# KiCad board IMXDesign.kicad_pcb (continued)
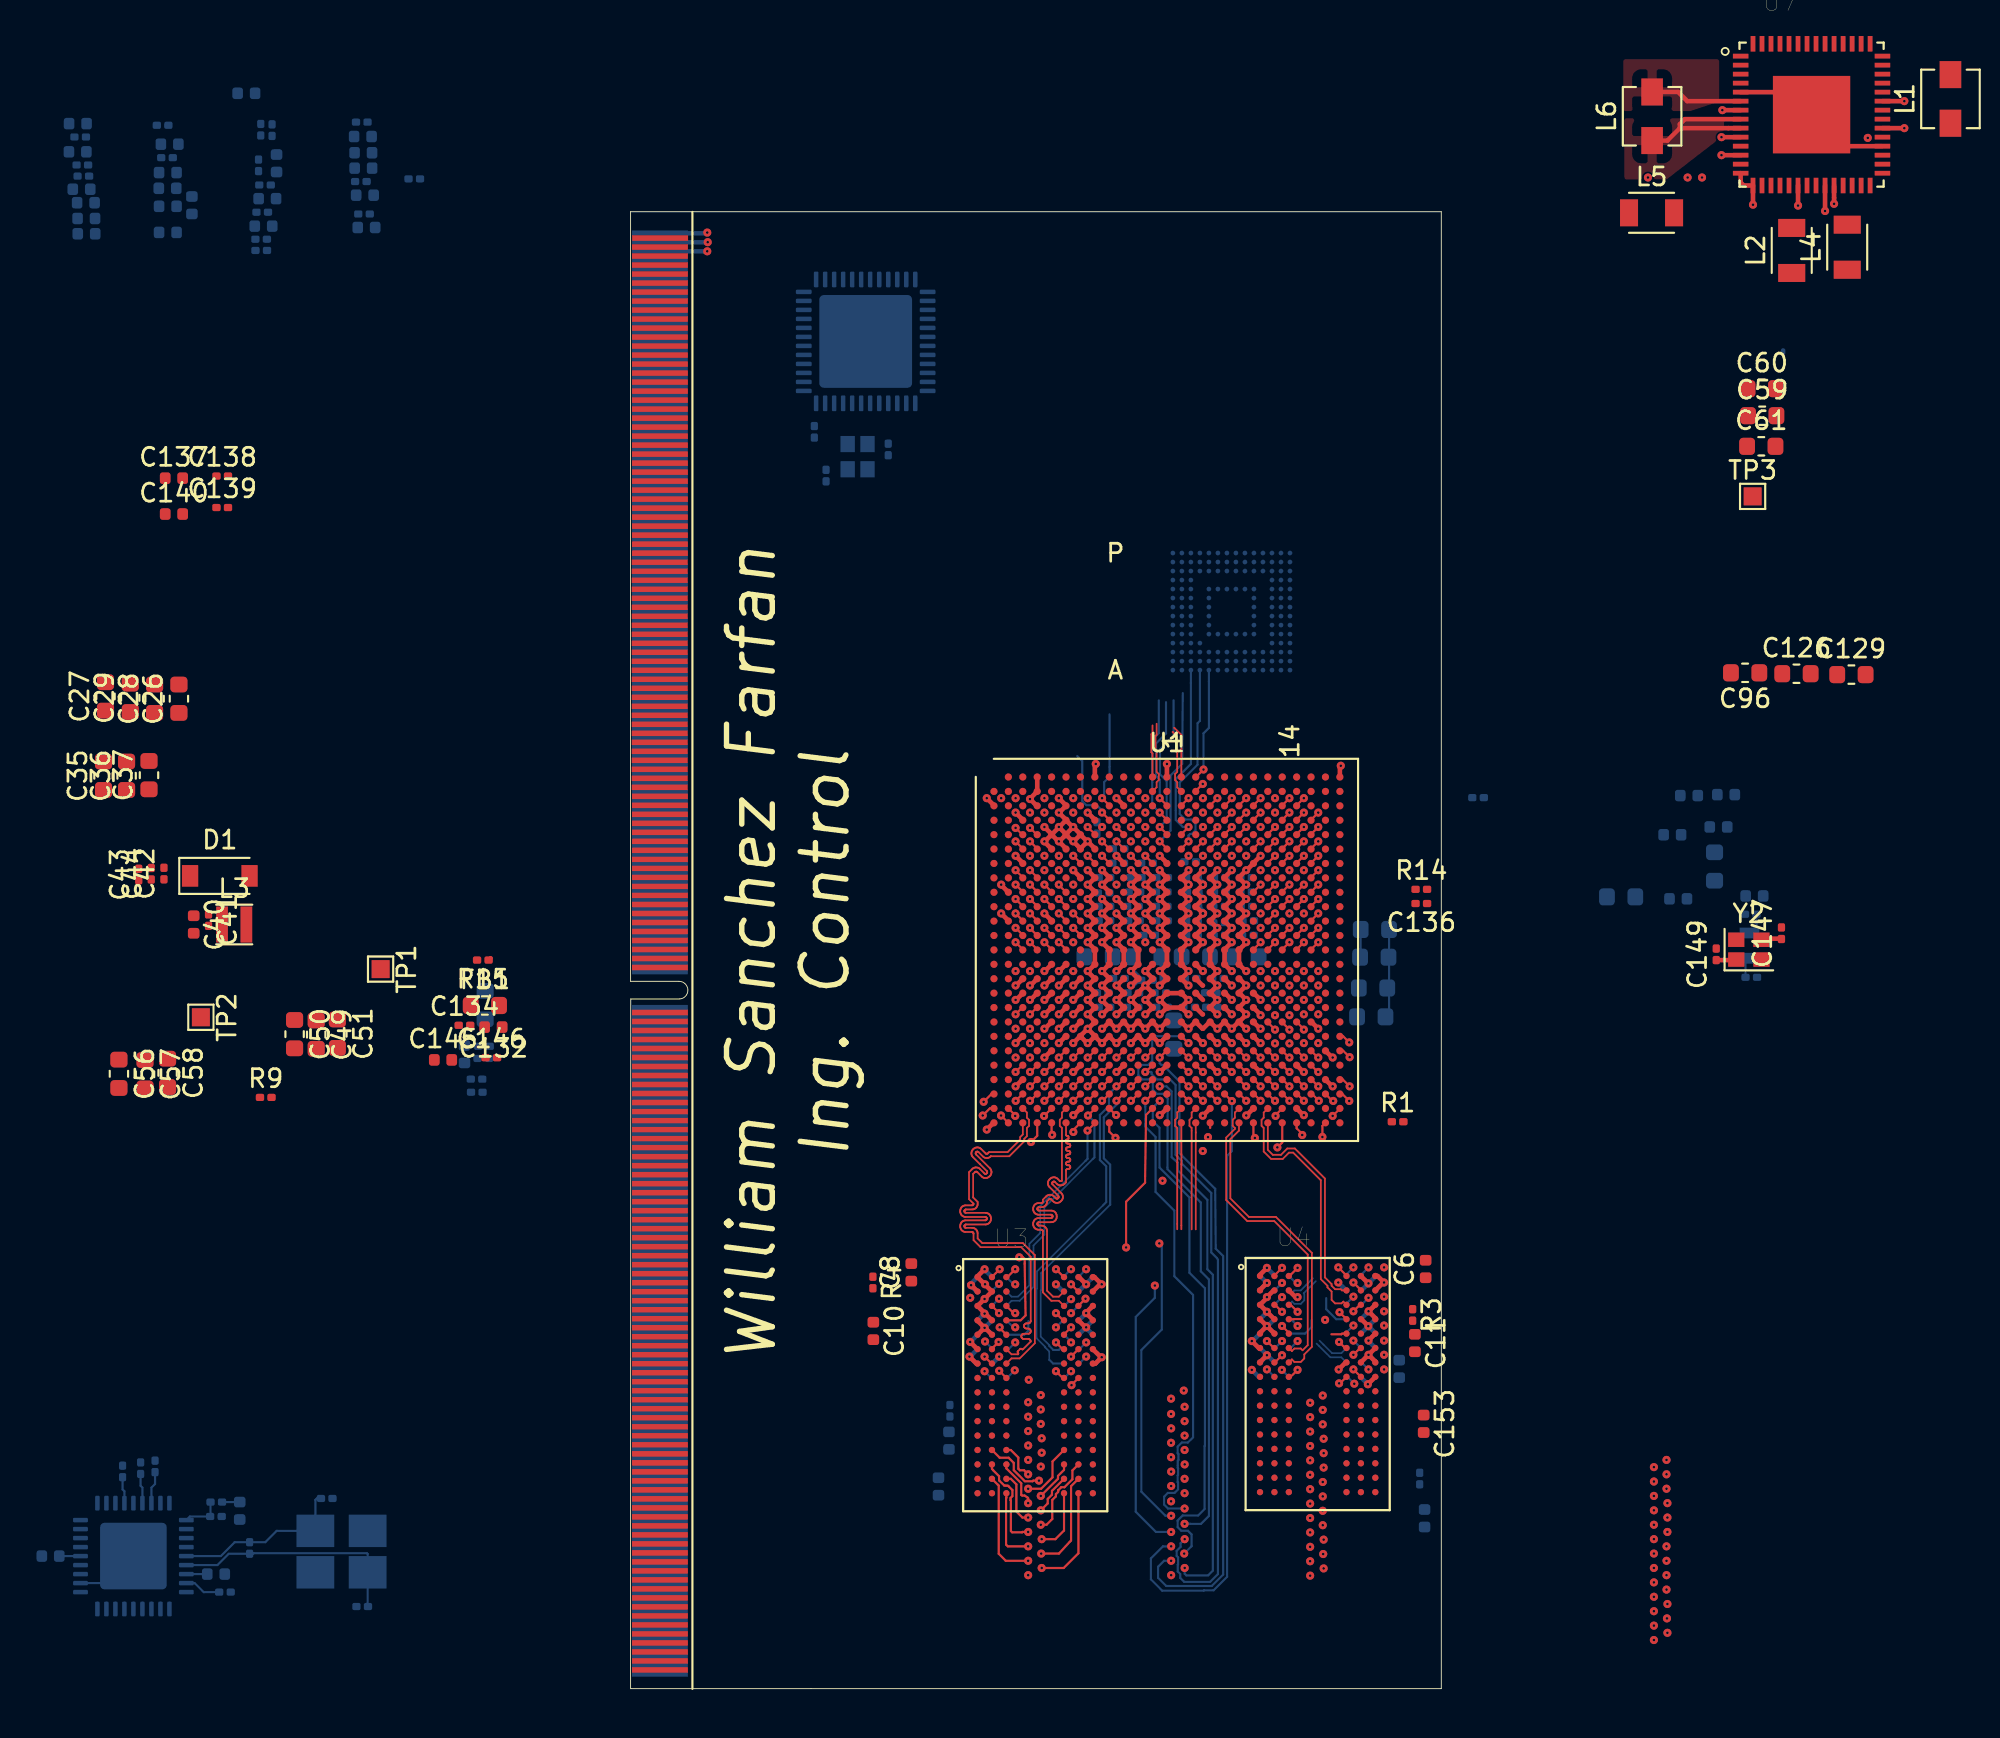
[diagram p0: board, top side]
## Nets (continued)
/Display/DISPO_DAT18: U1.V25
/Display/DISPO_DAT19: U1.U23
/Display/DISPO_DAT20: U1.U22
/Display/DISPO_DAT21: U1.T20
/Display/DISPO_DAT22: U1.V24
/Display/DISPO_DAT23: U1.W24
/ETHERNET_USB/ENET_REF_CLK: U1.V22 U9.41
/ETHERNET_USB/RGMII_INT: U1.V21 U9.38
/ETHERNET_USB/RGMII_MDC: U1.V20 U9.36
/ETHERNET_USB/RGMII_MDIO: U1.V23 U9.37
/ETHERNET_USB/RGMII_RD0: U1.C24 U9.32
/ETHERNET_USB/RGMII_RD1: U1.B23 U9.31
/ETHERNET_USB/RGMII_RD2: U1.B24 U9.28
/ETHERNET_USB/RGMII_RD3: U1.D23 U9.27
/ETHERNET_USB/RGMII_RSTn_R: U1.U21 U9.42
/ETHERNET_USB/USB1_HUB_N: U1.F10 U10.30
/ETHERNET_USB/USB1_HUB_P: U1.E10 U10.31
/ETHERNET_USB/USB_OTG_CHD_B: U1.B8
/ETHERNET_USB/USB_OTG_DN: U1.B6
/ETHERNET_USB/USB_OTG_DP: U1.A6
/SDx_INTERFACE/eMMC/SD_CLK: U6.M6
/SDx_INTERFACE/SD#/SD_D0: U1.E14 U6.A3
/SDx_INTERFACE/SD#/SD_D1: U1.F14 U6.A4
/SDx_INTERFACE/SD#/SD_D2: U1.A15 U6.A5
/SDx_INTERFACE/SD#/SD_D3: U1.B15 U6.B2
/SDx_INTERFACE/SD#/SD_D4: U1.D13 U6.B3
/SDx_INTERFACE/SD#/SD_D5: U1.C13 U6.B4
/SDx_INTERFACE/SD#/SD_D6: U1.E13 U6.B5
/SDx_INTERFACE/SD#/SD_D7: U1.F13 U6.B6
/SourcePower/SWBSTLX: D1.2 L3.2 U7.46
DDR_VREF: C4.1 C5.1 C6.1 C7.1 C8.1 C9.1 C10.1 C11.1 C153.1 U1.AC2 U2.H1 U2.M8 U3.H1 U3.M8 U4.H1 U4.M8 U5.H1 U5.M8 U7.31
PMIC_INT_B: R6.2 U7.1
PMIC_VHALF: C12.2 C13.1 U7.29
POR_B: R8.2 U7.3
PWRON: U7.56
STAMFBY: U7.4
SYS_4V2: C25.1 C30.1 C31.1 C32.1 C33.1 C34.1 C38.1 C39.1 C45.1 C46.1 C47.1 C48.1 C52.1 C53.1 C54.1 C55.1 U7.7 U7.10 U7.12 U7.20 U7.23 U7.24 U7.34 U7.37 U7.45 U8.1 U8.3 U8.5
VGEN1_1v35: C14.1 U7.16
VGEN2_1v35: C15.1 U7.18
VGEN3_1v35: C16.1 U7.26
VGEN4_1v35: C17.1 U7.28
VGEN5_1v35: C18.1 U7.39
VGEN6_1v35: C19.1 U7.41
VGEN_+3V0: C95.1 C96.1 C97.1 U1.G11 U1.H9 U1.J9
Net-(C3-Pad1): C3.1 U7.17
Net-(C22-Pad1): C22.1 U7.50
Net-(C23-Pad1): C23.1 U7.49
Net-(C24-Pad1): C24.1 U7.52
Net-(C40-Pad1): C40.1 C41.1 L3.1
Net-(C63-Pad1): C63.1 U7.51
Net-(C64-Pad1): C64.1 C65.1 C66.1 U6.E6 U6.F5 U6.J10 U6.K9
Net-(C67-Pad1): C67.1 C68.1 C69.1 C70.1 U6.C6 U6.M4 U6.N4 U6.P3 U6.P5
Net-(C71-Pad1): C71.1 U6.C2
Net-(C124-Pad1): C124.1 U1.G9
Net-(C130-Pad1): C130.1 R10.2 U1.G7
Net-(C133-Pad1): C133.1 R11.2 U1.H7
Net-(C134-Pad1): C134.1 FB1.1 U1.G8
Net-(C136-Pad1): C136.1 R14.2 U1.G12
Net-(C141-Pad1): C141.1 U10.34
Net-(C142-Pad1): C142.1 U10.14
Net-(C143-Pad1): C143.1 R23.1 U10.33 Y1.3
Net-(C144-Pad1): C144.1 R23.2 U10.32 Y1.1
Net-(C147-Pad1): C147.1 U1.B7 Y2.3
Net-(C148-Pad1): C148.1 U1.C9 Y3.2
Net-(C149-Pad1): C149.1 U1.A7 Y2.1
Net-(C150-Pad1): C150.1 U1.D9 Y3.1
Net-(C151-Pad1): C151.1 U9.45 Y4.3
Net-(C152-Pad1): C152.1 U9.46 Y4.1
Net-(D2-Pad2): D2.2 R17.1
Net-(L1-Pad1): L1.1 U7.35 U7.36
Net-(L2-Pad1): L2.1 U7.21
Net-(L4-Pad1): L4.1 U7.22
Net-(L5-Pad1): L5.1 U7.11
Net-(L6-Pad1): L6.1 U7.8 U7.9
Net-(R1-Pad1): R1.1 U1.AE17
Net-(R2-Pad1): R2.1 U3.L8
Net-(R3-Pad1): R3.1 U2.L8
Net-(R4-Pad1): R4.1 U4.L8
Net-(R5-Pad1): R5.1 U5.L8
Net-(R7-Pad2): R7.2 U7.2
Net-(R9-Pad1): R9.1 U1.A2
Net-(R12-Pad1): R12.1 U1.C14
Net-(R15-Pad1): R15.1 U1.J1
Net-(R16-Pad1): R16.1 U9.48
Net-(R17-Pad2): R17.2 R18.1 U10.28
Net-(R19-Pad1): R19.1 U10.22
Net-(R20-Pad1): R20.1 U10.35
Net-(R21-Pad1): R21.1 U10.24
Net-(R22-Pad1): R22.1 U10.25
Net-(U1-PadA5): U1.A5
Net-(U1-PadA9): U1.A9
Net-(U1-PadA10): U1.A10
Net-(U1-PadA11): U1.A11
Net-(U1-PadA16): U1.A16
Net-(U1-PadA21): U1.A21
Net-(U1-PadA24): U1.A24 U9.22
Net-(U1-PadAA11): U1.AA11
Net-(U1-PadAB17): U1.AB17
Net-(U1-PadAD17): U1.AD17
Net-(U1-PadB5): U1.B5
Net-(U1-PadB9): U1.B9
Net-(U1-PadB10): U1.B10
Net-(U1-PadB11): U1.B11
Net-(U1-PadB13): U1.B13
Net-(U1-PadB16): U1.B16
Net-(U1-PadB21): U1.B21
Net-(U1-PadB25): U1.B25 U9.33
Net-(U1-PadC2): U1.C2
Net-(U1-PadC3): U1.C3
Net-(U1-PadC5): U1.C5
Net-(U1-PadC7): U1.C7
Net-(U1-PadC8): U1.C8
Net-(U1-PadC11): U1.C11
Net-(U1-PadC12): U1.C12
Net-(U1-PadC15): U1.C15
Net-(U1-PadC20): U1.C20
Net-(U1-PadC22): U1.C22 U9.19
Net-(U1-PadC23): U1.C23 U9.24
Net-(U1-PadD4): U1.D4
Net-(U1-PadD5): U1.D5
Net-(U1-PadD7): U1.D7
Net-(U1-PadD10): U1.D10
Net-(U1-PadD11): U1.D11
Net-(U1-PadD12): U1.D12
Net-(U1-PadD14): U1.D14
Net-(U1-PadD15): U1.D15
Net-(U1-PadD20): U1.D20
Net-(U1-PadD21): U1.D21 U9.25
Net-(U1-PadD22): U1.D22 U9.35
Net-(U1-PadE9): U1.E9
Net-(U1-PadE11): U1.E11
Net-(U1-PadE12): U1.E12
Net-(U1-PadE15): U1.E15
Net-(U1-PadE19): U1.E19
Net-(U1-PadE21): U1.E21 U9.21
Net-(U1-PadF11): U1.F11
Net-(U1-PadF12): U1.F12
Net-(U1-PadF18): U1.F18
Net-(U1-PadF20): U1.F20 U9.20
Net-(U1-PadG4): U1.G4
Net-(U1-PadG5): U1.G5
Net-(U1-PadG6): U1.G6
Net-(U1-PadG14): U1.G14
Net-(U1-PadG15): U1.G15
Net-(U1-PadG16): U1.G16
Net-(U1-PadG17): U1.G17
Net-(U1-PadG18): U1.G18
Net-(U1-PadH5): U1.H5
Net-(U1-PadH6): U1.H6
Net-(U1-PadJ7): U1.J7
Net-(U1-PadK1): U1.K1
Net-(U1-PadK2): U1.K2
Net-(U1-PadK7): U1.K7
Net-(U1-PadK19): U1.K19
Net-(U1-PadL19): U1.L19
Net-(U1-PadM19): U1.M19
Net-(U1-PadN2): U1.N2
Net-(U1-PadN7): U1.N7
Net-(U1-PadP1): U1.P1
Net-(U1-PadP3): U1.P3
Net-(U1-PadP4): U1.P4
Net-(U1-PadP7): U1.P7
Net-(U1-PadP19): U1.P19
Net-(U1-PadR19): U1.R19
Net-(U1-PadU20): U1.U20
Net-(U1-PadV3): U1.V3
Net-(U1-PadV4): U1.V4
Net-(U1-PadW20): U1.W20
Net-(U1-PadW21): U1.W21
Net-(U1-PadW22): U1.W22
Net-(U1-PadW23): U1.W23
Net-(U1-PadY3): U1.Y3
Net-(U1-PadY4): U1.Y4
Net-(U2-PadT2): U2.T2
Net-(U3-PadT2): U3.T2
Net-(U4-PadT2): U4.T2
Net-(U5-PadT2): U5.T2
Net-(U6-PadA1): U6.A1
Net-(U6-PadA2): U6.A2
Net-(U6-PadA7): U6.A7
Net-(U6-PadA8): U6.A8
Net-(U6-PadA9): U6.A9
Net-(U6-PadA10): U6.A10
Net-(U6-PadA11): U6.A11
Net-(U6-PadA12): U6.A12
Net-(U6-PadA13): U6.A13
Net-(U6-PadA14): U6.A14
Net-(U6-PadB1): U6.B1
Net-(U6-PadB7): U6.B7
Net-(U6-PadB8): U6.B8
Net-(U6-PadB9): U6.B9
Net-(U6-PadB10): U6.B10
Net-(U6-PadB11): U6.B11
Net-(U6-PadB12): U6.B12
Net-(U6-PadB13): U6.B13
Net-(U6-PadB14): U6.B14
Net-(U6-PadC1): U6.C1
Net-(U6-PadC3): U6.C3
Net-(U6-PadC5): U6.C5
Net-(U6-PadC7): U6.C7
Net-(U6-PadC8): U6.C8
Net-(U6-PadC9): U6.C9
Net-(U6-PadC10): U6.C10
Net-(U6-PadC11): U6.C11
Net-(U6-PadC12): U6.C12
Net-(U6-PadC13): U6.C13
Net-(U6-PadC14): U6.C14
Net-(U6-PadD1): U6.D1
Net-(U6-PadD2): U6.D2
Net-(U6-PadD3): U6.D3
Net-(U6-PadD4): U6.D4
Net-(U6-PadD12): U6.D12
Net-(U6-PadD13): U6.D13
Net-(U6-PadD14): U6.D14
Net-(U6-PadE1): U6.E1
Net-(U6-PadE2): U6.E2
Net-(U6-PadE3): U6.E3
Net-(U6-PadE5): U6.E5
Net-(U6-PadE8): U6.E8
Net-(U6-PadE9): U6.E9
Net-(U6-PadE10): U6.E10
Net-(U6-PadE12): U6.E12
Net-(U6-PadE13): U6.E13
Net-(U6-PadE14): U6.E14
Net-(U6-PadF1): U6.F1
Net-(U6-PadF2): U6.F2
Net-(U6-PadF3): U6.F3
Net-(U6-PadF10): U6.F10
Net-(U6-PadF12): U6.F12
Net-(U6-PadF13): U6.F13
Net-(U6-PadF14): U6.F14
Net-(U6-PadG1): U6.G1
Net-(U6-PadG2): U6.G2
Net-(U6-PadG3): U6.G3
Net-(U6-PadG10): U6.G10
Net-(U6-PadG12): U6.G12
Net-(U6-PadG13): U6.G13
Net-(U6-PadG14): U6.G14
Net-(U6-PadH1): U6.H1
Net-(U6-PadH2): U6.H2
Net-(U6-PadH3): U6.H3
Net-(U6-PadH5): U6.H5
Net-(U6-PadH12): U6.H12
Net-(U6-PadH13): U6.H13
Net-(U6-PadH14): U6.H14
Net-(U6-PadJ1): U6.J1
Net-(U6-PadJ2): U6.J2
Net-(U6-PadJ3): U6.J3
Net-(U6-PadJ12): U6.J12
Net-(U6-PadJ13): U6.J13
Net-(U6-PadJ14): U6.J14
Net-(U6-PadK1): U6.K1
Net-(U6-PadK2): U6.K2
Net-(U6-PadK3): U6.K3
Net-(U6-PadK5): U6.K5
Net-(U6-PadK6): U6.K6
Net-(U6-PadK7): U6.K7
Net-(U6-PadK10): U6.K10
Net-(U6-PadK12): U6.K12
Net-(U6-PadK13): U6.K13
Net-(U6-PadK14): U6.K14
Net-(U6-PadL1): U6.L1
Net-(U6-PadL2): U6.L2
Net-(U6-PadL3): U6.L3
Net-(U6-PadL12): U6.L12
Net-(U6-PadL13): U6.L13
Net-(U6-PadL14): U6.L14
Net-(U6-PadM1): U6.M1
Net-(U6-PadM2): U6.M2
Net-(U6-PadM3): U6.M3
Net-(U6-PadM5): U6.M5
Net-(U6-PadM7): U6.M7
Net-(U6-PadM8): U6.M8
Net-(U6-PadM9): U6.M9
Net-(U6-PadM10): U6.M10
Net-(U6-PadM11): U6.M11
Net-(U6-PadM12): U6.M12
Net-(U6-PadM13): U6.M13
Net-(U6-PadM14): U6.M14
Net-(U6-PadN1): U6.N1
Net-(U6-PadN3): U6.N3
Net-(U6-PadN6): U6.N6
Net-(U6-PadN7): U6.N7
Net-(U6-PadN8): U6.N8
Net-(U6-PadN9): U6.N9
Net-(U6-PadN10): U6.N10
Net-(U6-PadN11): U6.N11
Net-(U6-PadN12): U6.N12
Net-(U6-PadN13): U6.N13
Net-(U6-PadN14): U6.N14
Net-(U6-PadP1): U6.P1
Net-(U6-PadP2): U6.P2
Net-(U6-PadP7): U6.P7
Net-(U6-PadP8): U6.P8
Net-(U6-PadP9): U6.P9
Net-(U6-PadP10): U6.P10
Net-(U6-PadP11): U6.P11
Net-(U6-PadP12): U6.P12
Net-(U6-PadP13): U6.P13
Net-(U6-PadP14): U6.P14
Net-(U7-Pad33): U7.33
Net-(U7-Pad47): U7.47
Net-(U7-Pad53): U7.53
Net-(U7-Pad54): U7.54
Net-(U8-Pad2): U8.2
Net-(U8-Pad4): U8.4
Net-(U8-Pad6): U8.6
Net-(U8-Pad8): U8.8
Net-(U8-Pad10): U8.10
Net-(U8-Pad22): U8.22
Net-(U8-Pad27): U8.27
Net-(U8-Pad33): U8.33
Net-(U8-Pad39): U8.39
Net-(U8-Pad41): U8.41
Net-(U8-Pad43): U8.43
Net-(U8-Pad44): U8.44
Net-(U8-Pad46): U8.46
Net-(U8-Pad48): U8.48
Net-(U8-Pad49): U8.49
Net-(U8-Pad50): U8.50
Net-(U8-Pad52): U8.52
Net-(U8-Pad55): U8.55
Net-(U8-Pad57): U8.57
Net-(U8-Pad59): U8.59
Net-(U8-Pad61): U8.61
Net-(U8-Pad62): U8.62
Net-(U8-Pad63): U8.63
Net-(U8-Pad65): U8.65
Net-(U8-Pad67): U8.67
Net-(U8-Pad69): U8.69
Net-(U8-Pad71): U8.71
Net-(U8-Pad73): U8.73
Net-(U8-Pad75): U8.75
Net-(U8-Pad77): U8.77
Net-(U8-Pad79): U8.79
Net-(U8-Pad80): U8.80
Net-(U8-Pad82): U8.82
Net-(U8-Pad84): U8.84
Net-(U8-Pad86): U8.86
Net-(U8-Pad88): U8.88
Net-(U8-Pad90): U8.90
Net-(U8-Pad92): U8.92
Net-(U8-Pad94): U8.94
Net-(U8-Pad96): U8.96
Net-(U8-Pad101): U8.101
Net-(U8-Pad103): U8.103
Net-(U8-Pad105): U8.105
Net-(U8-Pad107): U8.107
Net-(U8-Pad109): U8.109
Net-(U8-Pad111): U8.111
Net-(U8-Pad114): U8.114
Net-(U8-Pad116): U8.116
Net-(U8-Pad118): U8.118
Net-(U8-Pad120): U8.120
Net-(U8-Pad121): U8.121
Net-(U8-Pad122): U8.122
Net-(U8-Pad123): U8.123
Net-(U8-Pad124): U8.124
Net-(U8-Pad125): U8.125
Net-(U8-Pad126): U8.126
Net-(U8-Pad128): U8.128
Net-(U8-Pad130): U8.130
Net-(U8-Pad132): U8.132
Net-(U8-Pad134): U8.134
Net-(U8-Pad143): U8.143
Net-(U8-Pad145): U8.145
Net-(U8-Pad147): U8.147
Net-(U8-Pad149): U8.149
Net-(U8-Pad151): U8.151
Net-(U8-Pad153): U8.153
Net-(U8-Pad155): U8.155
Net-(U8-Pad156): U8.156
Net-(U8-Pad157): U8.157
Net-(U8-Pad207): U8.207
Net-(U8-Pad209): U8.209
Net-(U8-Pad211): U8.211
Net-(U8-Pad213): U8.213
Net-(U8-Pad222): U8.222
Net-(U8-Pad223): U8.223
Net-(U8-Pad224): U8.224
Net-(U8-Pad225): U8.225
Net-(U8-Pad226): U8.226
Net-(U8-Pad227): U8.227
Net-(U8-Pad228): U8.228
Net-(U8-Pad229): U8.229
Net-(U8-Pad230): U8.230
Net-(U8-Pad231): U8.231
Net-(U8-Pad232): U8.232
Net-(U8-Pad233): U8.233
Net-(U8-Pad234): U8.234
Net-(U8-Pad235): U8.235
Net-(U8-Pad236): U8.236
Net-(U8-Pad257): U8.257
Net-(U8-Pad270): U8.270
Net-(U8-Pad272): U8.272
Net-(U8-Pad275): U8.275
Net-(U8-Pad293): U8.293
Net-(U8-Pad302): U8.302
Net-(U8-Pad304): U8.304
Net-(U8-Pad306): U8.306
Net-(U8-Pad308): U8.308
Net-(U8-Pad309): U8.309
Net-(U8-Pad310): U8.310
Net-(U8-Pad311): U8.311
Net-(U8-Pad312): U8.312
Net-(U8-Pad313): U8.313
Net-(U8-Pad314): U8.314
Net-(U9-Pad1): U9.1 U9.12
Net-(U9-Pad4): U9.4 U9.9
Net-(U9-Pad13): U9.13
Net-(U9-Pad14): U9.14 U9.18 U9.23 U9.26 U9.30 U9.39
Net-(U9-Pad16): U9.16 U9.34 U9.40
Net-(U9-Pad43): U9.43
Net-(U9-Pad44): U9.44
Net-(U9-Pad47): U9.47
Net-(U10-Pad1): U10.1
Net-(U10-Pad2): U10.2
Net-(U10-Pad3): U10.3
Net-(U10-Pad4): U10.4
Net-(U10-Pad6): U10.6
Net-(U10-Pad7): U10.7
Net-(U10-Pad8): U10.8
Net-(U10-Pad9): U10.9
Net-(U10-Pad10): U10.5 U10.10 U10.15 U10.23 U10.29 U10.36
Net-(U10-Pad12): U10.12
Net-(U10-Pad13): U10.13
Net-(U10-Pad16): U10.16
Net-(U10-Pad17): U10.17
Net-(U10-Pad18): U10.18
Net-(U10-Pad19): U10.19
Net-(U10-Pad20): U10.20
Net-(U10-Pad21): U10.21
Net-(U10-Pad26): U10.26
Net-(U10-Pad27): U10.27

Pads without a net: U2 J1 J9 L1 L9; U3 J1 J9 L1 L9; U4 J1 J9 L1 L9; U5 J1 J9 L1 L9; U8 32 110 138 315 316 317 318 319 320 321

## Via types
v1: diameter 0.45, hole 0.15, Top to Bottom, 715 vias

## Routing (per net, layer and track width the routed paths; a pad name or vN(x,y) marks a point on that pad's centre or on a via; arc(x,y) is an arc through that point)
+1V1_NVCC_PLL_OUT: length 0.6
  Top w0.119: v1(25.37,47.84) 25.77,47.44 U1.E8
+1V1_VDDSOC_VP: length 9.1
  Top w0.119: U1.L7 24.97,42.64 v1(24.57,43.04)
  Top w0.25: U1.T13 29.77,38.64 ; U1.T13 U1.T14 30.94,38.24 v1(30.97,38.24) 30.57,37.84 U1.U14 ; U1.T13 29.39,38.24 v1(29.37,38.24) 29.77,37.84 U1.U13 ; U1.U14 U1.U13 ; U1.U14 30.94,37.44 v1(30.97,37.44) ; U1.U13 29.39,37.44 v1(29.37,37.44) ; v1(29.37,46.24) 29.77,45.84 U1.G13 ; v1(26.97,37.44) 27,37.44 U1.U10 27.37,37.84 v1(26.97,38.24) 27,38.24 U1.T10 27.37,38.64 v1(26.97,39.04) 27,39.04 U1.R10 27.37,39.44
  vias: v1(30.97,46.24)
+1V2_VDDARM_CAP: length 20.6
  Top w0.25: v1(29.37,39.04) 29.39,39.04 U1.R13 29.77,39.44 v1(29.37,39.84) 29.39,39.84 U1.P13 U1.N13 29.77,41.04 v1(29.37,41.44) 29.39,41.44 U1.M13 29.77,41.84 v1(29.37,42.24) 29.39,42.24 U1.L13 29.77,42.64 v1(29.37,43.04) 29.39,43.04 U1.K13 29.77,43.44 v1(29.37,43.84) 29.39,43.84 U1.J13 29.77,44.24 v1(29.37,44.64) 29.39,44.64 U1.H13 29.37,45.42 v1(29.37,45.44) ; v1(27.77,39.04) 27.8,39.04 U1.R11 27.72,39.87 27.74,39.87 v1(27.77,39.84) 27.8,39.84 U1.P11 U1.N11 28.17,41.04 v1(27.77,41.44) 27.8,41.44 U1.M11 28.17,41.84 v1(27.77,42.24) 27.8,42.24 U1.L11 28.17,42.64 v1(27.77,43.04) 27.8,43.04 U1.K11 28.17,43.44 v1(27.77,43.84) 27.8,43.84 U1.J11 28.17,44.24 v1(27.77,44.64) 27.8,44.64 U1.H11 28.17,45.04 v1(27.77,45.44)
  Bottom w0.25: 27.89,39.83 28.35,39.37 C104.1 28.19,39.33 27.89,39.03 ; C98.1 29.49,40.61 29.49,39.06
+1v5_DDR: length 38
  Top w0.25: U3.B2 19.67,22.43 v1(19.67,22.45) 19.66,22.45 U3.A1 19.26,22.9 v1(19.65,23.29) ; U3.B2 20.09,22.05 ; U3.B2 U3.C1 19.65,20.86 v1(19.65,20.82) 19.69,20.82 U3.D2 ; U1.V13 29.75,37.01 v1(29.37,36.64) 29.34,36.64 U1.V12 28.94,37.01 v1(28.57,36.64) 28.55,36.64 U1.V11 28.14,37.01 v1(27.77,36.64) 27.75,36.64 U1.V10 27.34,37.01 v1(26.97,36.64) 26.94,36.64 U1.V9 ; v1(39.3,17.72) 39.69,18.11 U4.G7 ; U4.B2 35.69,22.11 v1(35.32,21.74) 35.32,21.69 U4.C1 34.94,21.31 v1(35.32,20.92) 35.73,20.51 U4.D2 ; v1(34.17,36.64) 34.14,36.64 U1.V18 ; U3.D9 25.66,20.48 v1(25.29,20.85) 25.29,20.88 U3.C9 ; v1(18.85,19.25) 19.25,18.85 U3.F1 19.27,18.85 ; U1.V18 34.17,37.41 v1(34.17,37.44) 33.8,37.81 U1.U18 34.17,38.22 v1(34.17,38.24) 33.8,38.62 U1.T18 33.77,38.64 v1(34.17,39.04) 33.8,39.42 U1.R18 ; U1.V18 33.75,37.01 v1(33.37,36.64) 33.34,36.64 U1.V17 32.94,37.01 v1(32.57,36.64) 32.55,36.64 U1.V16 32.14,37.01 31.77,36.64 31.75,36.64 U1.V15 31.34,37.01 v1(30.97,36.64) 30.94,36.64 U1.V14 ; U3.K2 20.06,15.69 ; U4.C9 40.98,20.95 v1(40.96,20.95) 41.34,20.57 U4.D9 ; v1(40.92,16.9) 40.93,16.9 U4.H9 ; v1(40.96,22.5) 40.95,22.5 U4.A8 ; U1.V9 26.59,37.01 ; U1.V9 26.19,36.64 v1(26.17,36.64) ; v1(35.32,23.36) 34.94,22.98 U4.A1 ; v1(40.96,19.32) 40.96,19.33 U4.E9 ; U4.F1 34.87,18.91 v1(34.48,19.3) ; U3.A8 24.89,22.85 v1(25.29,22.45)
  In2.Cu w0.25: v1(19.65,23.29) 19.65,23.3
  Bottom w0.25: v1(18.85,19.25) 18.86,19.25 U2.E9 19.26,19.61 ; v1(40.96,19.32) 40.96,19.29 41.34,18.91 ; U2.C9 19.65,20.86 v1(19.65,20.82) 19.63,20.82 U2.D9 19.21,20.45 ; 34.94,21.31 35.32,20.93 v1(35.32,20.92) 35.32,20.9 34.94,20.51 34.89,20.51 ; v1(40.92,16.9) 40.54,17.28 40.54,17.31 ; 34.94,17.31 34.87,17.31 v1(34.48,17.7) ; 40.54,20.51 40.96,20.93 v1(40.96,20.95) 40.97,20.95 41.34,21.31 ; U2.C1 25.29,20.88 v1(25.29,20.85) 24.89,20.45 U2.D2 ; 35.74,22.91 35.74,22.94 v1(35.32,23.36) ; 40.54,22.11 40.57,22.11 v1(40.96,22.5) 41.34,22.88 41.34,22.91 ; U2.A1 25.29,22.48 v1(25.29,22.45) 25.26,22.45 U2.B2 ; 34.94,19.71 34.52,19.3 v1(34.48,19.3) ; U2.A8 19.65,23.26 v1(19.65,23.29)
  vias: v1(19.65,21.64)
+1V375_CORE: length 18.2
  Top w0.25: v1(26.17,37.44) 26.19,37.44 U1.U9 26.17,38.22 v1(26.17,38.24) 26.19,38.24 U1.T9 26.57,38.64 v1(26.17,39.04) 26.19,39.04 U1.R9 26.57,39.44 v1(26.17,39.84) 26.19,39.84 U1.P9 U1.N9 26.57,41.04 v1(26.17,41.44) 26.19,41.44 U1.M9 26.57,41.84 v1(26.17,42.24) 26.19,42.24 U1.L9 26.57,42.64 v1(26.17,43.04) 26.19,43.04 U1.K9 26.57,43.44 v1(26.17,43.84) ; v1(30.97,45.44) 30.97,45.42 U1.H14 30.94,44.64 v1(30.97,44.64) 30.97,44.61 U1.J14 30.94,43.84 v1(30.97,43.84) 30.97,43.81 U1.K14 30.59,43.42 v1(30.97,43.04) 30.57,42.64 U1.L14 30.94,42.24 v1(30.97,42.24) 30.97,42.22 U1.M14 30.94,41.44 v1(30.97,41.44) 30.57,41.04 U1.N14 U1.P14 30.94,39.84 v1(30.97,39.84) 30.97,39.81 U1.R14 30.94,39.04 v1(30.97,39.04)
  Bottom w0.25: 30.79,45.03 C72.1 30.85,44.87 31.09,44.63
+1V375_SOC: length 18
  Top w0.25: 56.7,88.62 L6.2 58.14,88.65 58.65,88.14 U7.6 ; v1(32.57,45.44) 32.57,45.42 U1.H16 32.55,44.64 v1(32.57,44.64) 32.17,44.24 U1.J16 32.55,43.84 v1(32.57,43.84) 32.17,43.44 U1.K16 32.55,43.04 v1(32.57,43.04) 32.17,42.64 U1.L16 32.55,42.24 v1(32.57,42.24) 32.57,42.22 U1.M16 32.19,41.81 v1(32.57,41.44) 32.17,41.04 U1.N16 U1.P16 32.55,39.84 v1(32.57,39.84) 32.57,39.81 U1.R16 32.55,39.04 v1(32.57,39.04) 32.17,38.64 U1.T16 32.19,38.62 v1(32.57,38.24) 32.17,37.84 U1.U16 32.55,37.44 v1(32.57,37.44)
  Bottom w0.119: C92.1 40.53,40.64 C93.1
  Bottom w0.25: 63.97,74.3 63.97,74.15
  vias: v1(56.47,83.9) v1(58.67,83.9) v1(59.47,83.9)
+2V5: length 1.1
  Top w0.119: U1.M7 24.97,41.84 v1(24.57,42.24)
  Top w0.25: v1(24.57,36.64) 24.59,36.64 U1.V7
+VDDPU: length 7.7
  Top w0.25: v1(33.37,39.84) 33.34,39.84 U1.P17 U1.N17 32.97,41.04 v1(33.37,41.44) 33.34,41.44 U1.M17 32.97,41.84 v1(33.37,42.24) 33.34,42.24 U1.L17 32.97,42.64 v1(33.37,43.04) 33.34,43.04 U1.K17 33.37,43.81 v1(33.37,43.84) 33.34,43.84 U1.J17 32.97,44.24 v1(33.37,44.64) 33.34,44.64 U1.H17 32.97,45.04 v1(33.37,45.44)
+VDDUSB: length 0.6
  Top w0.119: v1(26.17,47.04) 26.57,46.64 U1.F9
GND: length 141.4
  Top w0.25: v1(21.37,46.24) 21.77,45.84 U1.G3 ; v1(26.97,49.44) 27.37,49.04 U1.C10 ; v1(34.97,46.24) 34.57,45.84 U1.G19 34.19,45.44 v1(34.17,45.44) 33.77,45.04 U1.H18 34.14,44.64 v1(34.17,44.64) 33.77,44.24 U1.J18 33.8,44.22 v1(34.17,43.84) 33.77,43.44 U1.K18 34.14,43.04 v1(34.17,43.04) 33.77,42.64 U1.L18 34.14,42.24 v1(34.17,42.24) 33.77,41.84 U1.M18 33.8,41.81 v1(34.17,41.44) 34.17,41.42 U1.N18 ; U1.W17 33.34,35.84 v1(33.37,35.84) ; U1.V19 34.94,36.64 v1(34.97,36.64) ; U1.E6 24.55,47.04 v1(24.57,47.04) ; U1.E6 24.17,47.44 ; U1.E6 23.8,47.04 v1(23.77,47.04) ; U1.W8 26.14,35.84 v1(26.17,35.84) 26.55,36.22 U1.W9 26.94,35.84 v1(26.97,35.84) 27.34,36.22 U1.W10 ; U1.W8 25.77,36.24 v1(25.37,36.64) ; U1.W8 25.39,35.84 v1(25.37,35.84) 25.34,35.84 U1.W7 ; U1.R17 33.34,39.04 v1(33.37,39.04) ; U1.T19 34.59,38.62 v1(34.97,38.24) ; U1.N18 33.77,41.09 ; U1.N18 U1.P18 34.14,39.84 v1(34.17,39.84) ; v1(35.32,18.51) 34.94,18.13 U4.G1 ; v1(37.02,21.74) 36.91,21.74 U4.B3 ; U1.W16 32.55,35.84 v1(32.57,35.84) ; U1.A13 v1(29.77,51.34) ; U1.AA22 37.34,34.24 v1(37.37,34.24) ; 24.97,46.64 v1(25.37,47.04) ; 24.97,46.64 U1.F7 ; 24.97,46.64 v1(24.57,47.04) ; v1(25.37,47.04) 25.34,47.04 U1.E7 ; v1(25.37,47.04) 25.77,46.64 U1.F8 ; v1(38.97,35.04) 38.94,35.04 U1.Y24 ; U1.U17 33.34,37.44 v1(33.37,37.44) ; U1.W3 21.75,36.22 v1(21.37,35.84) ; v1(29.37,34.24) 29.39,34.24 U1.AA13 ; v1(26.97,34.24) 27,34.24 U1.AA10 ; v1(25.37,36.64) 25.39,36.64 U1.V8 25.77,37.04 v1(25.37,37.44) 25.39,37.44 U1.U8 25.37,38.22 v1(25.37,38.24) 25.39,38.24 U1.T8 25.77,38.64 v1(25.37,39.04) 25.39,39.04 U1.R8 25.37,39.81 v1(25.37,39.84) 25.39,39.84 U1.P8 U1.N8 25.77,41.04 v1(25.37,41.44) 25.39,41.44 U1.M8 25.77,41.84 v1(25.37,42.24) 25.39,42.24 U1.L8 25.77,42.64 v1(25.37,43.04) 25.39,43.04 U1.K8 25.77,43.44 v1(25.37,43.84) 25.39,43.84 U1.J8 25.77,44.24 v1(25.37,44.64) 25.39,44.64 U1.H8 25.77,45.04 v1(25.37,45.44) ; v1(25.37,36.64) 24.97,36.24 U1.W7 ; U1.E5 23,47.04 v1(22.97,47.04) 22.97,47.02 U1.F5 ; U1.E5 23.37,47.44 v1(22.97,47.84) ; U1.E5 23.75,47.04 v1(23.77,47.04) ; U1.E5 23.77,47.81 v1(23.77,47.84) ; U4.E1 34.94,19.75 v1(35.32,20.14) ; U1.M12 28.97,41.84 v1(28.57,42.24) ; U1.U19 34.97,37.41 v1(34.97,37.39) ; U4.A9 41.46,22.91 v1(41.82,22.55) 41.78,22.55 U4.B9 ; U1.AD16 31.77,31.81 v1(31.76,31.81) ; v1(33.37,38.24) 33,38.62 U1.T17 ; v1(39.42,51.24) 39.37,51.19 U1.A25 39.39,50.61 ; v1(35.32,20.14) 35.32,20.13 U4.E2 ; v1(35.32,20.14) 35.31,20.14 U4.D1 ; v1(28.57,39.04) 28.17,38.64 U1.T11 27.8,38.24 v1(27.77,38.24) 28.17,37.84 U1.U11 27.8,37.44 v1(27.77,37.44) ; v1(28.57,39.04) 28.97,38.64 U1.T12 28.59,38.24 v1(28.57,38.24) 28.97,37.84 U1.U12 28.59,37.44 v1(28.57,37.44) ; v1(28.57,39.04) 28.59,39.04 U1.R12 28.97,39.44 v1(28.57,39.84) 28.59,39.84 U1.P12 ; v1(34.97,35.84) 34.94,35.84 U1.W19 ; U7.5 64.3,88.64 U7.57 67.3,85.64 U7.32 ; U7.14 61.62,83.62 61.78,83.45 U7.15 v1(62.3,82.39) ; 25.67,18.85 U3.F9 26.11,18.4 v1(26.15,18.4) 25.8,18.05 U3.G9 25.72,18.05 ; U1.W7 24.94,36.22 v1(24.57,35.84) ; U1.G10 27.37,45.84 v1(26.97,46.24) ; v1(25.82,51.34) 25.77,51.29 U1.A8 ; v1(19.65,20.04) 19.67,20.04 U3.E2 ; v1(19.65,20.04) 19.64,20.04 U3.E1 ; v1(19.65,20.04) 19.26,20.43 U3.D1 19.26,20.45 ; U1.E7 24.97,47.44 v1(24.57,47.84) ; U1.E7 24.59,47.04 v1(24.57,47.04) ; U1.L5 23.37,42.64 v1(22.97,43.04) ; U1.C4 22.55,49.02 v1(22.17,49.39) 22.17,49.42 U1.B4 U1.A4 ; v1(26.97,43.84) 27.37,43.44 U1.K10 ; v1(29.37,31.84) 29.39,31.84 U1.AD13 ; 31.77,38.24 31.39,38.62 U1.T15 ; U1.U15 31.75,37.44 31.77,37.44 ; U1.C1 20.17,49.04 v1(19.77,49.44) ; U1.J2 20.57,44.61 v1(20.57,44.64) ; v1(31.77,35.84) 31.75,35.84 U1.W15 ; v1(23.77,47.04) 24.17,46.64 U1.F6 ; 34.89,22.11 U4.B1 34.94,22.14 v1(35.32,22.52) ; U4.F9 40.96,18.54 v1(40.96,18.54) ; 24.17,47.44 v1(24.57,47.84) ; 24.17,47.44 v1(23.77,47.84) ; U1.AB24 38.94,33.44 v1(38.97,33.44) ; U1.AB3 21.75,33.81 v1(21.37,33.44) ; U3.B9 26.06,22.45 v1(26.15,22.45) 25.75,22.85 U3.A9 ; U1.R15 31.75,39.04 31.77,39.04 ; v1(24.57,34.24) 24.59,34.24 U1.AA7 ; v1(34.17,31.82) 34.18,31.82 U1.AD19 ; v1(18.81,18.44) 19.2,18.05 U3.G1 ; U1.N15 31.37,41.04 v1(31.77,41.44) 31.75,41.44 U1.M15 31.37,41.84 v1(31.77,42.24) 31.75,42.24 U1.L15 31.77,43.02 v1(31.77,43.04) 31.39,43.42 U1.K15 31.37,43.44 v1(31.77,43.84) 31.75,43.84 U1.J15 31.37,44.24 v1(31.77,44.64) 31.75,44.64 U1.H15 31.37,45.04 v1(31.77,45.44) ; v1(19.77,31.04) 20.14,31.41 U1.AE1 ; v1(40.96,18.54) 40.54,18.12 U4.G8 40.57,18.11 ; v1(40.96,18.54) 41.34,18.16 U4.G9 ; v1(26.97,39.84) 27,39.84 U1.P10 U1.N10 27.37,41.04 v1(26.97,41.44) 27,41.44 U1.M10 27.37,41.84 v1(26.97,42.24) 27,42.24 U1.L10 27.37,42.64 v1(26.97,43.04) ; v1(31.77,39.84) 31.75,39.84 U1.P15 ; U1.L2 20.97,42.64 v1(20.57,43.04) ; v1(24.57,47.84) 24.55,47.84 U1.D6 ; v1(23.77,47.84) 23.8,47.84 U1.D6 ; v1(22.97,35.04) 23.34,35.41 U1.Y5 ; U1.W13 29.75,36.22 v1(29.37,35.84) 29.34,35.84 U1.W12 28.94,36.22 v1(28.57,35.84) 28.55,35.84 U1.W11 28.14,36.22 v1(27.77,35.84) ; v1(24.57,31.84) 24.59,31.84 U1.AD7 ; 18.81,22.45 18.86,22.45 U3.B1 ; v1(23.77,49.44) 24.17,49.04 U1.C6 23.8,48.64 v1(23.77,48.64) 24.17,48.24 U1.D6 ; U1.AD22 37.34,31.84 v1(37.37,31.84) ; v1(40.95,20.12) 40.56,20.51 U4.D8 ; U3.D8 25.25,20.06 v1(25.29,20.06) ; v1(21.37,48.64) 21.77,48.24 U1.D3 ; v1(28.57,45.44) 28.97,45.04 U1.H12 28.59,44.64 v1(28.57,44.64) 28.97,44.24 U1.J12 28.59,43.84 v1(28.57,43.84) 28.97,43.44 U1.K12 28.59,43.04 v1(28.57,43.04) 28.97,42.64 U1.L12 ; v1(34.17,35.84) 34.14,35.84 U1.W18 ; U1.AA16 32.55,34.24 v1(32.57,34.24) ; v1(34.97,34.24) 34.94,34.24 U1.AA19 ; v1(25.37,48.64) 25.77,48.24 U1.D8 ; 19.65,20.06 19.65,20.04
  In2.Cu w0.094: 21.48,48.35 21.48,48.96
  Bottom w0.119: U10.37 -29.09,5.86 U10.11 ; C93.2 42.1,37.5 C115.2
  Bottom w0.25: U2.B3 24.01,22.05 v1(23.61,22.45) ; v1(26.15,18.4) 25.8,18.05 U2.G1 ; 34.94,22.91 35.32,22.53 v1(35.32,22.52) 34.94,22.14 34.94,22.11 34.89,22.11 ; v1(35.32,18.51) 35.32,18.53 34.94,18.91 ; v1(35.32,18.51) 35.32,18.5 34.94,18.11 ; v1(35.32,18.51) 35.34,18.51 35.74,18.11 ; U2.D8 19.65,20.04 v1(19.65,20.04) 19.67,20.04 U2.E8 ; U2.G8 20.07,18.05 v1(20.46,18.44) ; v1(40.96,18.54) 41.34,18.16 41.34,18.11 ; C74.2 31.53,44.19 31.89,43.83 ; v1(39.28,22.55) 39.72,22.11 39.74,22.11 ; v1(40.95,20.12) 41.34,19.74 41.34,19.71 ; v1(40.95,20.12) 40.54,19.71 ; v1(40.95,20.12) 41.34,20.51 ; U2.B1 26.06,22.45 v1(26.15,22.45) ; 31.89,43.03 31.89,43.05 C73.2 ; U2.F9 18.84,18.44 v1(18.81,18.44) 19.19,18.05 U2.G9 ; v1(25.29,20.06) 25.27,20.06 U2.E2 ; v1(25.29,20.06) 25.29,20.08 U2.D1 ; v1(25.29,20.06) 25.29,20.02 U2.E1 ; 19.67,20.06 19.65,20.06 19.65,20.06 ; 35.74,20.51 35.36,20.14 v1(35.32,20.14) 35.32,20.13 35.74,19.71 ; v1(41.82,22.55) 41.78,22.55 41.34,22.11 ; U2.A9 18.86,22.45 18.81,22.45 19.21,22.05 U2.B9 ; C72.2 31.89,44.63
  vias: v1(18.9,22.4) v1(22.07,14.3) v1(28.57,41.44) v1(30,12.85) v1(30.75,14.85) v1(30.75,13.25) v1(38.55,20.47)
(no net):
  vias: v1(20.57,49.44) v1(21.37,49.44) v1(21.37,39.84) v1(21.37,36.64) v1(21.37,35.04) v1(22.07,15.9) v1(22.07,13.5) v1(22.07,12.7) v1(22.17,48.64) v1(22.17,46.24) v1(22.17,39.84) v1(22.17,36.64) v1(22.17,35.84) v1(22.17,35.04) v1(22.77,16.3) v1(22.77,15.5) v1(22.77,14.7) v1(22.82,13.9) v1(22.82,13.1) v1(22.77,12.33) v1(22.97,49.44) v1(22.97,48.64) v1(22.97,46.24) v1(22.97,45.44) v1(22.97,35.84) v1(23.77,46.24) v1(23.77,45.44) v1(24.57,49.44) v1(24.57,48.64) v1(24.57,44.64) v1(24.57,43.84) v1(24.57,41.44) v1(24.57,39.84) v1(25.37,49.44) v1(26.17,47.84) v1(26.97,48.64) v1(26.97,45.44) v1(26.97,44.64) v1(27.77,49.44) v1(27.77,48.64) v1(27.77,47.84) v1(27.77,47.04) v1(27.77,34.24) v1(28.57,49.44) v1(28.57,48.64) v1(28.57,47.84) v1(28.57,47.04) v1(30,6.3) v1(30.97,48.64) v1(31.77,49.44) v1(31.77,48.64) v1(31.77,47.84) v1(31.77,46.24) v1(32.57,48.64) v1(32.57,46.24) v1(33.37,46.24) v1(34.17,47.04) v1(34.17,46.24) v1(34.97,47.84) v1(34.97,45.44) v1(34.97,43.84) v1(34.97,43.04) v1(34.97,42.24) v1(34.97,39.84) v1(34.97,39.04) v1(35.77,49.44) v1(35.77,48.64) v1(35.77,45.44) v1(35.77,39.84) v1(35.77,39.04) v1(35.77,37.39) v1(35.77,35.82) v1(36.57,45.44) v1(36.57,43.04) v1(36.57,39.84) v1(36.57,39.04) v1(36.57,38.24) v1(36.57,37.39) v1(36.57,35.82) v1(37.37,45.44) v1(37.37,43.04) v1(37.37,39.84) v1(37.37,39.04) v1(37.37,38.24) v1(37.37,37.44) v1(37.37,35.84) v1(37.72,15.87) v1(37.72,15.07) v1(37.72,14.27) v1(37.72,13.47) v1(37.72,12.67) v1(37.72,6.27) v1(38.17,39.84) v1(38.17,39.04) v1(38.17,38.24) v1(38.17,37.44) v1(38.17,35.84) v1(38.42,16.27) v1(38.42,15.47) v1(38.42,14.67) v1(38.47,13.87) v1(38.47,13.07) v1(38.47,12.27) v1(41.82,23.39) v1(41.82,21.76) v1(41.82,20.95) v1(41.82,20.16) v1(41.82,19.32) v1(41.82,18.54) v1(41.82,17.72) v1(56.8,12.3) v1(56.8,11.5) v1(56.8,10.7) v1(56.8,9.9) v1(56.8,9.1) v1(56.8,8.3) v1(56.8,7.5) v1(56.8,6.7) v1(56.8,5.9) v1(56.8,5.1) v1(56.8,4.3) v1(56.8,3.5) v1(56.8,2.7) v1(57.5,12.7) v1(57.5,11.9) v1(57.5,11.1) v1(57.5,7.9) v1(57.5,7.1) v1(57.5,6.3) v1(57.5,5.5) v1(57.53,3.9) v1(57.55,10.3) v1(57.55,9.5) v1(57.55,8.7) v1(57.55,4.7) v1(57.55,3.1)
/Camera/CSI0_D6: length 0.6
  Top w0.119: U1.N4 22.57,41.04 v1(22.17,41.44)
/Camera/CSI0_D7: length 0.6
  Top w0.119: v1(21.37,41.44) 21.77,41.04 U1.N3
/Camera/CSI0_D8: length 0.6
  Top w0.119: v1(23.77,41.44) 24.17,41.04 U1.N6
/Camera/CSI0_D9: length 0.6
  Top w0.119: v1(22.97,41.44) 23.37,41.04 U1.N5
/Camera/CSI0_D11: length 0.6
  Top w0.119: v1(21.37,42.24) 21.77,41.84 U1.M3
/Camera/CSI0_D14: length 0.6
  Top w0.119: v1(22.17,42.24) 22.17,42.22 U1.M4
/Camera/CSI0_D15: length 0.6
  Top w0.119: U1.M5 23.37,41.84 v1(22.97,42.24)
/Camera/CSI0_D16: length 0.6
  Top w0.119: U1.L4 22.57,42.64 v1(22.17,43.04)
/Camera/CSI0_D17: length 0.6
  Top w0.119: U1.L3 21.77,42.64 v1(21.37,43.04)
/Camera/CSI0_D18: length 0.6
  Top w0.119: U1.M6 24.17,41.84 v1(23.77,42.24)
/Camera/CSI0_D19: length 0.6
  Top w0.119: v1(23.77,43.04) 24.17,42.64 U1.L6
/Camera/CSI_CLK0+: length 0.6
  Top w0.119: U1.F3 21.77,46.64 v1(21.37,47.04)
/Camera/CSI_CLK0-: length 0.6
  Top w0.119: U1.F4 22.57,46.64 v1(22.17,47.04)
/Camera/CSI_D0+: length 0.6
  Top w0.114: U1.E3 21.75,47.42 v1(21.37,47.79)
/Camera/CSI_D0-: length 0.6
  Top w0.114: v1(22.17,47.79) 22.55,47.42 U1.E4
/Camera/DSI_CLK0+: length 0.6
  Top w0.114: U1.H4 22.57,45.04 v1(22.17,45.44)
/Camera/DSI_CLK0-: length 0.6
  Top w0.114: v1(21.37,45.44) 21.77,45.04 U1.H3
/CarrierBoard_A/DI0_DISP_CLK: length 0.6
  Top w0.119: U1.N19 34.57,41.04 v1(34.97,41.44)
/CarrierBoard_A/DI0_PIN3: length 0.6
  Top w0.119: U1.N20 35.37,41.04 v1(35.77,41.44)
/CarrierBoard_A/DI0_PIN15: length 0.6
  Top w0.119: v1(36.57,41.44) 36.17,41.04 U1.N21